# Allegro board T736_DEMO_DBOARD_V0-5-draft.brd (continued)
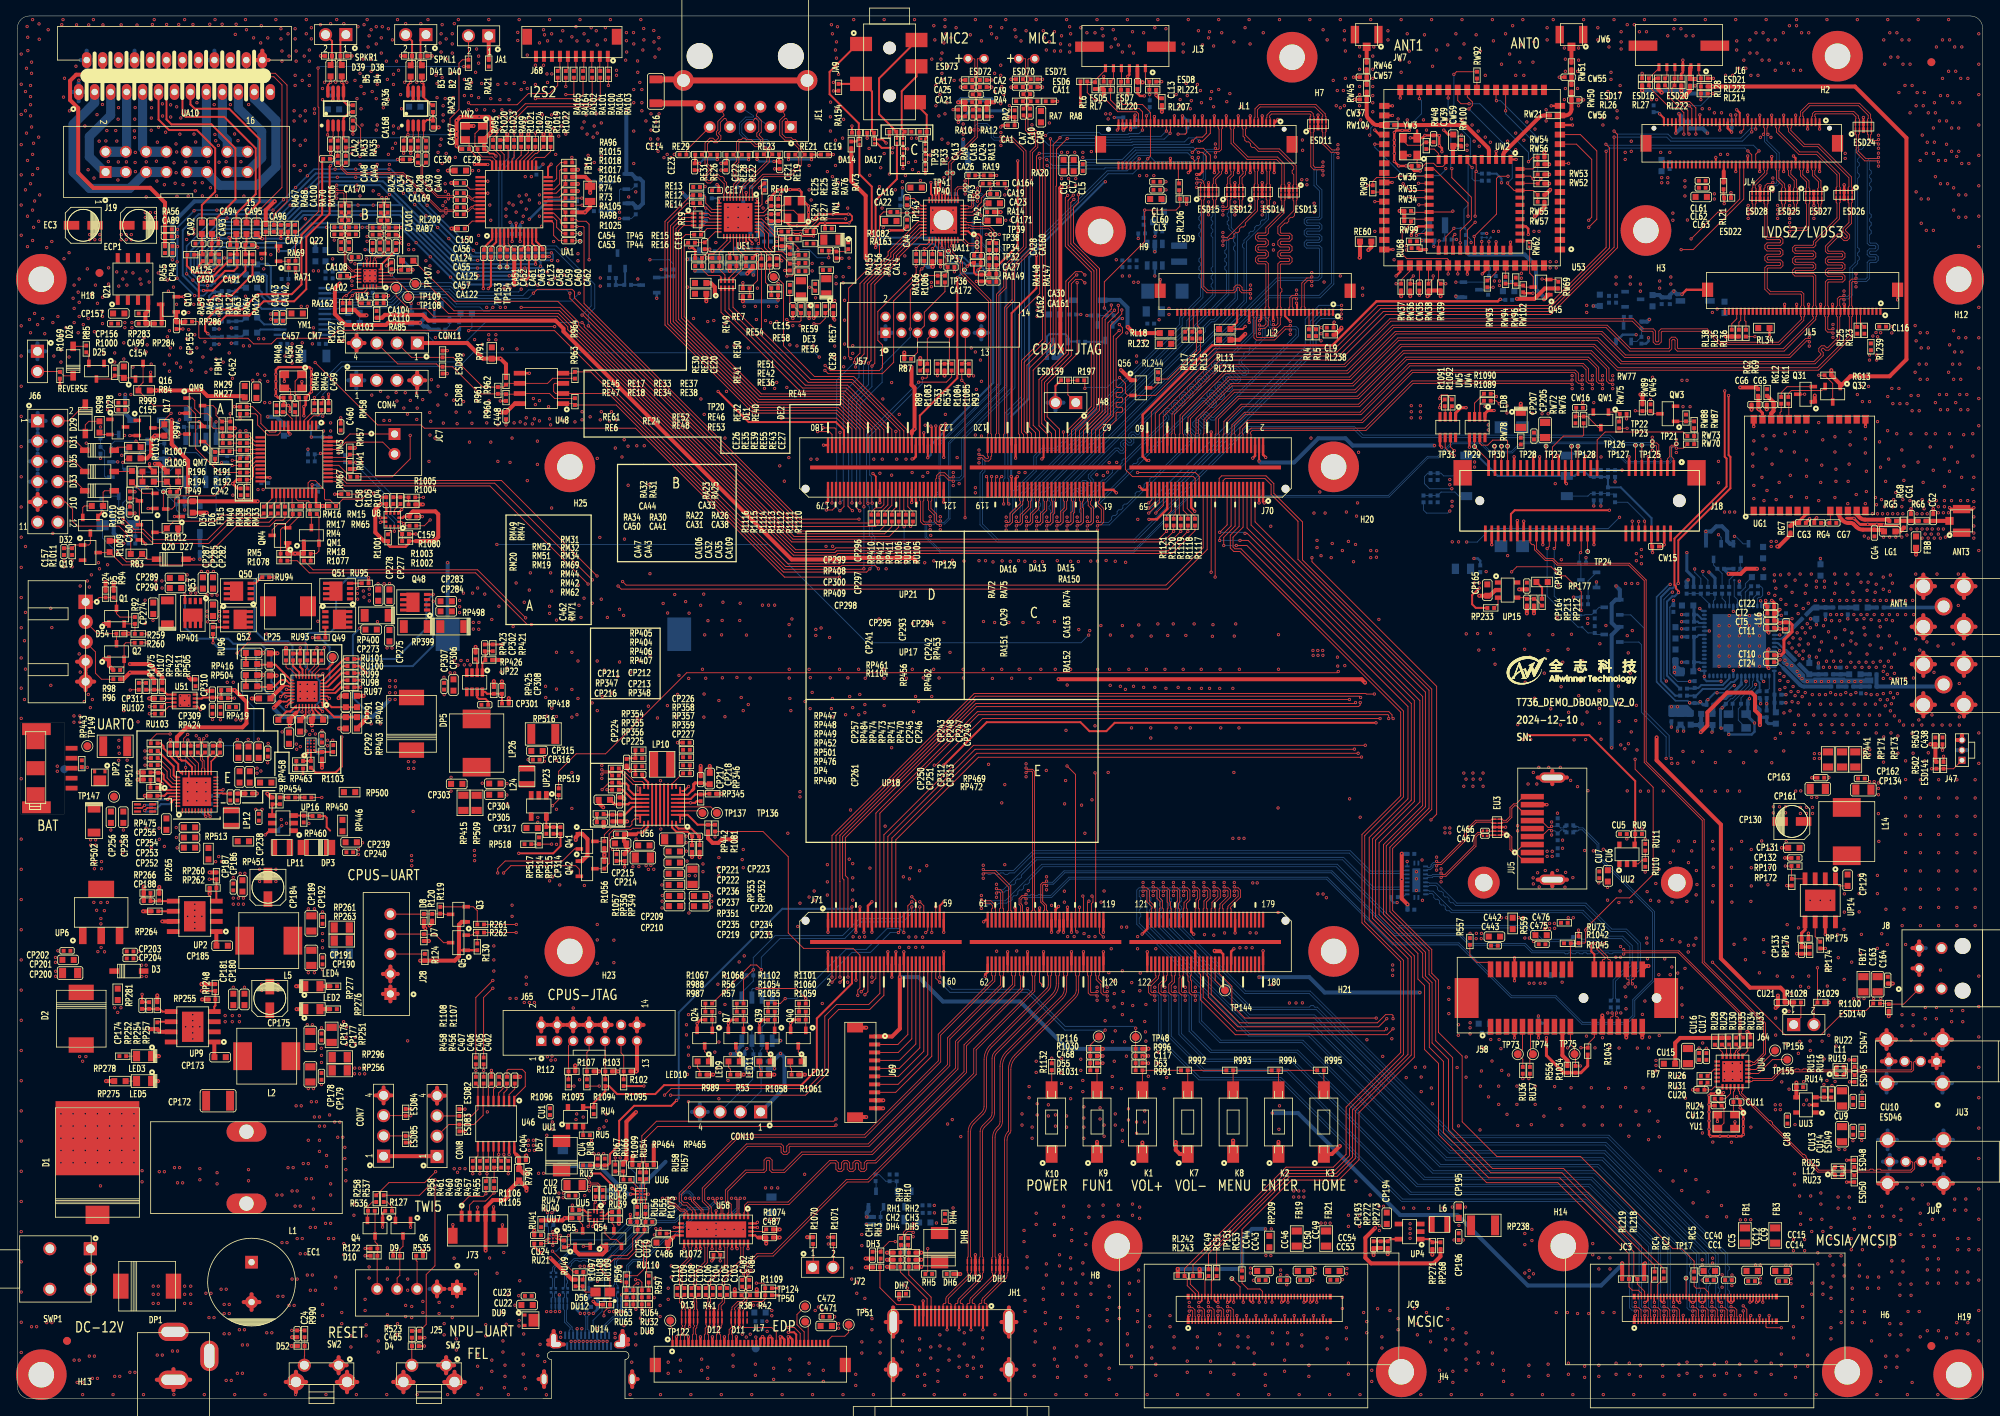
[diagram p0: board, top side]
## Footprints (pads in the part's own frame, mm; a bottom-side part is the same pattern mirrored in y, then rotated) (continued)
HDR1_5P100B390_735H509_SMD_V
  rect 0.5x1.4 smd: 1(-2,1.781) 2(-1,1.781) 3(0,1.781) 4(1,1.781) 5(2,1.781)
  rect 1.2x2 smd: 6(-3.1,-0.669) 7(3.1,-0.669)
HDR1_5P250B570_1500H700
  rect 1.501x1.501 hole 0.899: 1(-0.5,5.001)
  round 1.501 hole 0.899: 2(-0.5,2.499) 3(-0.5,0) 4(-0.5,-2.499) 5(-0.5,-5.001)
HDR1_10P100B390_1235H509_SMD_V
  rect 0.5x1.4 smd: 1(-4.5,1.781) 2(-3.5,1.781) 3(-2.5,1.781) 4(-1.5,1.781) 5(-0.5,1.781) 6(0.5,1.781) 7(1.5,1.781) 8(2.5,1.781) 9(3.5,1.781) 10(4.5,1.781)
  rect 1.2x2 smd: 11(-5.6,-0.669) 12(5.6,-0.669)
HDR2_6P254B500_1524H254
  rect 1.651x1.651 hole 1.1: 1(-1.27,6.35)
  round 1.651 hole 1.1: 2(1.27,6.35) 3(-1.27,3.81) 4(1.27,3.81) 5(-1.27,1.27) 6(1.27,1.27) 7(-1.27,-1.27) 8(1.27,-1.27) 9(-1.27,-3.81) 10(1.27,-3.81) 11(-1.27,-6.35) 12(1.27,-6.35)
HDR2_7P200B550_2130H560
  rect 1.3x1.3 hole 0.8: 1(-1.001,5.999)
  round 1.3 hole 0.8: 2(1.001,5.999) 3(-1.001,4) 4(1.001,4) 5(-1.001,1.999) 6(1.001,1.999) 7(-1.001,0) 8(1.001,0) 9(-1.001,-1.999) 10(1.001,-1.999) 11(-1.001,-4) 12(1.001,-4) 13(-1.001,-5.999) 14(1.001,-5.999)
HDR2_8P254B870_2794H900
  rect 1.501x1.501 hole 1.001: 1(-1.27,8.89)
  round 1.501 hole 1.001: 2(1.27,8.89) 3(-1.27,6.35) 4(1.27,6.35) 5(-1.27,3.81) 6(1.27,3.81) 7(-1.27,1.27) 8(1.27,1.27) 9(-1.27,-1.27) 10(1.27,-1.27) 11(-1.27,-3.81) 12(1.27,-3.81) 13(-1.27,-6.35) 14(1.27,-6.35) 15(-1.27,-8.89) 16(1.27,-8.89)
HP5B650_1400H500
  round 1.6 hole 1.6 unplated: (0,3) (0,-3)
  rect 2.751x1.801 smd: 1(-3.575,3.5) 2(3.375,0.7) 3(-3.575,-1.5) 4(3.175,-3.8) 5(3.375,4)
KEY2B350_600H350
  rect 2.2x1.5 smd: 1(-4.01,0) 2(4.01,0)
KEY4B260_780H350_THR
  round 1.651 hole 1.1: 1(-2.15,-1.05) 2(2.15,-1.05)
  round 2.2 hole 1.3: 3(-3.2,1.05) 4(3.2,1.05)
L0402
  rect 0.5x0.5 smd: 1(-0.424,0) 2(0.424,0)
L0603
  rect 0.759x0.759 smd: 1(-0.711,0) 2(0.711,0)
LC4B65_85H40
  rect 0.3x0.3 smd: 1(-0.3,0.25) 2(0.3,0.25) 3(0.3,-0.25) 4(-0.3,-0.25)
LC4P55B100_125H50
  rect 0.3x0.5 smd: 1(-0.274,0.599) 2(0.274,0.599) 3(0.274,-0.599) 4(-0.274,-0.599)
LED0402
  rect 0.5x0.5 smd: 1(-0.425,0) 2(0.425,0)
LED0603
  rect 0.759x0.759 smd: 1(-0.711,0) 2(0.711,0)
LED0805
  rect 0.899x1.3 smd: 1(-0.95,0) 2(0.95,0)
LGA12P50B200_200H100
  rect 0.3x0.351 smd: 1(-0.749,0.8) 4(-0.749,-0.8) 5(-0.249,-0.8) 6(0.249,-0.8) 7(0.749,-0.8) 10(0.749,0.8) 11(0.249,0.8) 12(-0.249,0.8)
  rect 0.351x0.3 smd: 2(-0.8,0.249) 3(-0.8,-0.249) 8(0.8,-0.249) 9(0.8,0.249)
LP160_200H100
  rect 1.001x1.9 smd: 1(-0.8,0) 2(0.8,0)
LP200_250H100
  rect 0.8x1.999 smd: 1(-1.001,0) 2(1.001,0)
LP300_300H100
  rect 1.1x3.2 smd: 1(-1.05,0) 2(1.05,0)
LP520_540H300
  rect 2x2.5 smd: 1(-2.5,0) 2(2.5,0)
LP660_700H480
  rect 2.349x3.5 smd: 1(-3.025,0) 2(3.025,0)
LP680_730H280
  rect 2.349x3.5 smd: 1(-3.025,0) 2(3.025,0)
MIC_600X270
  round 1.199 hole 0.701: 1(1.75,0) 2(-0.249,0)
MSOP8
  oval 0.45x1.56 smd: 1(-0.975,-2.123) 2(-0.325,-2.123) 3(0.325,-2.123) 4(0.975,-2.123) 5(0.975,2.123) 6(0.325,2.123) 7(-0.325,2.123) 8(-0.975,2.123)
MTH635D320
  round 6.35 hole 3.2: 1(0,0)
PCI54P80B760_3000H400
  round 1.6 hole 1.6 unplated: (-12.499,0)
  round 1.1 hole 1.1 unplated: (12.499,0)
  rect 0.351x1.999 smd: 1(-11.801,-4.1) 2(-11.4,4.1) 3(-11.001,-4.1) 4(-10.599,4.1) 5(-10.201,-4.1) 6(-9.799,4.1) 7(-9.401,-4.1) 8(-8.999,4.1) 9(-8.6,-4.1) 10(-8.199,4.1) 11(-7.8,-4.1) 12(-7.399,4.1) 13(-7,-4.1) 14(-6.599,4.1) 15(-6.2,-4.1) 16(-5.799,4.1) 17(-2.2,-4.1) 18(-1.801,4.1) 19(-1.4,-4.1) 20(-1.001,4.1) 21(-0.599,-4.1) 22(-0.201,4.1) 23(0.201,-4.1) 24(0.599,4.1) 25(1.001,-4.1) 26(1.4,4.1) 27(1.801,-4.1) 28(2.2,4.1) 29(2.601,-4.1) 30(3,4.1) 31(3.401,-4.1) 32(3.8,4.1) 33(4.201,-4.1) 34(4.6,4.1) 35(5.001,-4.1) 36(5.4,4.1) 37(5.799,-4.1) 38(6.2,4.1) 39(6.599,-4.1) 40(7,4.1) 41(7.399,-4.1) 42(7.8,4.1) 43(8.199,-4.1) 44(8.6,4.1) 45(8.999,-4.1) 46(9.401,4.1) 47(9.799,-4.1) 48(10.201,4.1) 49(10.599,-4.1) 50(11.001,4.1) 51(11.4,-4.1) 52(11.801,4.1)
  rect 2.301x3.2 smd: 53(-14.651,-3.5) 54(14.651,-3.5)
  round 4 hole 2.2: 55(-12.189,47.866) 56(12.004,47.866)
PCIE_36P100B730_2500H1110_SMD
  round 1.199 hole 1.199 unplated: (2.149,0) (11.3,0)
  rect 3x5.001 smd: 37(-12.499,0) 38(12.499,0)
  rect 0.701x1.999 smd: A1(-9.5,3.599) A2(-8.499,3.599) A3(-7.501,3.599) A4(-6.5,3.599) A5(-5.499,3.599) A6(-4.501,3.599) A7(-3.5,3.599) A8(-2.499,3.599) A9(-1.501,3.599) A10(-0.5,3.599) A11(0.5,3.599) A12(3.5,3.599) A13(4.501,3.599) A14(5.499,3.599) A15(6.5,3.599) A16(7.501,3.599) A17(8.499,3.599) A18(9.5,3.599) B1(-9.5,-3.599) B2(-8.499,-3.599) B3(-7.501,-3.599) B4(-6.5,-3.599) B5(-5.499,-3.599) B6(-4.501,-3.599) B7(-3.5,-3.599) B8(-2.499,-3.599) B9(-1.501,-3.599) B10(-0.5,-3.599) B11(0.5,-3.599) B12(3.5,-3.599) B13(4.501,-3.599) B14(5.499,-3.599) B15(6.5,-3.599) B16(7.501,-3.599) B17(8.499,-3.599) B18(9.5,-3.599)
PWR_JACK
  oval 3.81x2.286 hole 3.048x1.27: 1(0,7.099) 2(0,1.1)
  oval 2.286x3.81 hole 1.27x3.048: 3(4.496,4.089)
QFN10P40B140_180H55
  rect 0.701x0.201 smd: 1(-0.55,0.2)
  rect 0.6x0.2 smd: 2(-0.6,-0.2) 6(0.6,-0.2) 7(0.6,0.2)
  rect 0.2x0.6 smd: 3(-0.4,-0.8) 4(0,-0.8) 5(0.4,-0.8) 8(0.4,0.8) 9(0,0.8) 10(-0.4,0.8)
QFN20P40B300_300H75
  rect 0.63x0.201 smd: 1(-1.384,0.8) 2(-1.384,0.401) 3(-1.384,0) 4(-1.384,-0.401) 5(-1.384,-0.8) 11(1.384,-0.8) 12(1.384,-0.401) 13(1.384,0) 14(1.384,0.401) 15(1.384,0.8)
  rect 0.201x0.63 smd: 6(-0.8,-1.384) 7(-0.401,-1.384) 8(0,-1.384) 9(0.401,-1.384) 10(0.8,-1.384) 16(0.8,1.384) 17(0.401,1.384) 18(0,1.384) 19(-0.401,1.384) 20(-0.8,1.384)
  rect 1.651x1.651 smd: 21(0,0)
QFN21P50B250_450H90
  rect 0.24x0.6 smd: 1(-0.25,2.15) 10(-0.25,-2.15) 11(0.25,-2.15) 20(0.25,2.15)
  rect 0.6x0.24 smd: 2(-1.15,1.76) 3(-1.15,1.26) 4(-1.15,0.76) 5(-1.15,0.26) 6(-1.15,-0.24) 7(-1.15,-0.74) 8(-1.15,-1.24) 9(-1.15,-1.74) 12(1.15,-1.74) 13(1.15,-1.24) 14(1.15,-0.74) 15(1.15,-0.24) 16(1.15,0.26) 17(1.15,0.76) 18(1.15,1.26) 19(1.15,1.76)
  rect 1x3 smd: 21(0,0)
QFN25P50B400_400H75
  rect 0.701x0.3 smd: 1(-1.92,1.25) 2(-1.92,0.749) 3(-1.92,0.249) 4(-1.92,-0.249) 5(-1.92,-0.749) 6(-1.92,-1.25) 13(1.92,-1.25) 14(1.92,-0.749) 15(1.92,-0.249) 16(1.92,0.249) 17(1.92,0.749) 18(1.92,1.25)
  rect 0.3x0.701 smd: 7(-1.25,-1.92) 8(-0.749,-1.92) 9(-0.249,-1.92) 10(0.249,-1.92) 11(0.749,-1.92) 12(1.25,-1.92) 19(1.25,1.92) 20(0.749,1.92) 21(0.249,1.92) 22(-0.249,1.92) 23(-0.749,1.92) 24(-1.25,1.92)
  rect 2.601x2.601 smd: 25(0,0)
QFN29P50B500_600H100
  custom 0.825x1.075 smd: 1(-2.787,1.75) 8(-2.787,-1.75) 18(2.787,-1.75) 25(2.787,1.75)
  rect 1.85x0.25 smd: 2(-2.275,1.25) 3(-2.275,0.75) 4(-2.275,0.25) 5(-2.275,-0.25) 6(-2.275,-0.75) 7(-2.275,-1.25) 19(2.275,-1.25) 20(2.275,-0.75) 21(2.275,-0.25) 22(2.275,0.25) 23(2.275,0.75) 24(2.275,1.25)
  rect 0.249x0.701 smd: 9(-2,-2.35) 17(2,-2.35) 26(2,2.35) 29(-2,2.35)
  rect 0.25x0.75 smd: 10(-1.5,-2.325) 16(1.5,-2.325) 27(1.5,2.325) 28(-1.5,2.325)
  rect 0.25x5.4 smd: 11(-1,0) 12(-0.5,0) 13(0,0) 14(0.5,0) 15(1,0)
QFN33P40B400_400H75
  custom 0.61x0.198 smd: 1(-1.894,1.396) 8(-1.895,-1.404) 17(1.893,-1.404) 24(1.894,1.396)
  rect 0.63x0.201 smd: 2(-1.885,0.996) 3(-1.885,0.596) 4(-1.885,0.196) 5(-1.885,-0.204) 6(-1.885,-0.604) 7(-1.885,-1.004) 18(1.885,-1.004) 19(1.885,-0.604) 20(1.885,-0.204) 21(1.885,0.196) 22(1.885,0.596) 23(1.885,0.996)
  custom 0.198x0.61 smd: 9(-1.4,-1.897) 16(1.4,-1.897) 25(1.4,1.89) 32(-1.4,1.89)
  rect 0.201x0.63 smd: 10(-1,-1.889) 11(-0.6,-1.889) 12(-0.2,-1.889) 13(0.2,-1.889) 14(0.6,-1.889) 15(1,-1.889) 26(1,1.881) 27(0.6,1.881) 28(0.2,1.881) 29(-0.2,1.881) 30(-0.6,1.881) 31(-1,1.881)
  rect 2.601x2.601 smd: 33(0,0)
QFN40P0_40B5_00X5_00H0_75
  custom 0.8x0.2 smd: 1(-2.5,1.8) 2(-2.5,1.4) 3(-2.5,1) 4(-2.5,0.6) 5(-2.5,0.2) 6(-2.5,-0.2) 7(-2.5,-0.6) 8(-2.5,-1) 9(-2.5,-1.4) 10(-2.5,-1.8) 21(2.5,-1.8) 22(2.5,-1.4) 23(2.5,-1) 24(2.5,-0.6) 25(2.5,-0.2) 26(2.5,0.2) 27(2.5,0.6) 28(2.5,1) 29(2.5,1.4) 30(2.5,1.8)
  custom 0.2x0.8 smd: 11(-1.8,-2.5) 12(-1.4,-2.5) 13(-1,-2.5) 14(-0.6,-2.5) 15(-0.2,-2.5) 16(0.2,-2.5) 17(0.6,-2.5) 18(1,-2.5) 19(1.4,-2.5) 20(1.8,-2.5) 31(1.8,2.5) 32(1.4,2.5) 33(1,2.5) 34(0.6,2.5) 35(0.2,2.5) 36(-0.2,2.5) 37(-0.6,2.5) 38(-1,2.5) 39(-1.4,2.5) 40(-1.8,2.5)
  rect 3.4x3.4 hole 2.5: 41(0,0)
QFN41P40B500_500H85
  rect 0.63x0.201 smd: 1(-2.385,1.801) 2(-2.385,1.4) 3(-2.385,1.001) 4(-2.385,0.599) 5(-2.385,0.201) 6(-2.385,-0.201) 7(-2.385,-0.599) 8(-2.385,-1.001) 9(-2.385,-1.4) 10(-2.385,-1.801) 21(2.385,-1.801) 22(2.385,-1.4) 23(2.385,-1.001) 24(2.385,-0.599) 25(2.385,-0.201) 26(2.385,0.201) 27(2.385,0.599) 28(2.385,1.001) 29(2.385,1.4) 30(2.385,1.801)
  rect 0.201x0.63 smd: 11(-1.801,-2.385) 12(-1.4,-2.385) 13(-1.001,-2.385) 14(-0.599,-2.385) 15(-0.201,-2.385) 16(0.201,-2.385) 17(0.599,-2.385) 18(1.001,-2.385) 19(1.4,-2.385) 20(1.801,-2.385) 31(1.801,2.385) 32(1.4,2.385) 33(1.001,2.385) 34(0.599,2.385) 35(0.201,2.385) 36(-0.201,2.385) 37(-0.599,2.385) 38(-1.001,2.385) 39(-1.4,2.385) 40(-1.801,2.385)
  rect 3.599x3.599 smd: 41(0,0)
QFN43P50B350_900H85
  rect 0.73x0.3 smd: 1(-1.64,4) 2(-1.64,3.5) 3(-1.64,3) 4(-1.64,2.5) 5(-1.64,2) 6(-1.64,1.5) 7(-1.64,1) 8(-1.64,0.5) 9(-1.64,0) 10(-1.64,-0.5) 11(-1.64,-1) 12(-1.64,-1.5) 13(-1.64,-2) 14(-1.64,-2.5) 15(-1.64,-3) 16(-1.64,-3.5) 17(-1.64,-4) 22(1.64,-4) 23(1.64,-3.5) 24(1.64,-3) 25(1.64,-2.5) 26(1.64,-2) 27(1.64,-1.5) 28(1.64,-1) 29(1.64,-0.5) 30(1.64,0) 31(1.64,0.5) 32(1.64,1) 33(1.64,1.5) 34(1.64,2) 35(1.64,2.5) 36(1.64,3) 37(1.64,3.5) 38(1.64,4)
  rect 0.3x0.73 smd: 18(-0.75,-4.39) 19(-0.25,-4.39) 20(0.25,-4.39) 21(0.75,-4.39) 39(0.75,4.39) 40(0.25,4.39) 41(-0.25,4.39) 42(-0.75,4.39)
  rect 2.05x7.55 smd: 43(0,0)
QFN65P50B900_900H100
  oval 0.63x0.31 smd: 1(-4.384,3.749) 2(-4.384,3.251) 3(-4.384,2.751) 4(-4.384,2.25) 5(-4.384,1.75) 6(-4.384,1.25) 7(-4.384,0.749) 8(-4.384,0.249) 9(-4.384,-0.249) 10(-4.384,-0.749) 11(-4.384,-1.25) 12(-4.384,-1.75) 13(-4.384,-2.25) 14(-4.384,-2.751) 15(-4.384,-3.251) 16(-4.384,-3.749) 33(4.384,-3.749) 34(4.384,-3.251) 35(4.384,-2.751) 36(4.384,-2.25) 37(4.384,-1.75) 38(4.384,-1.25) 39(4.384,-0.749) 40(4.384,-0.249) 41(4.384,0.249) 42(4.384,0.749) 43(4.384,1.25) 44(4.384,1.75) 45(4.384,2.25) 46(4.384,2.751) 47(4.384,3.251) 48(4.384,3.749)
  oval 0.31x0.63 smd: 17(-3.749,-4.384) 18(-3.251,-4.384) 19(-2.751,-4.384) 20(-2.25,-4.384) 21(-1.75,-4.384) 22(-1.25,-4.384) 23(-0.749,-4.384) 24(-0.249,-4.384) 25(0.249,-4.384) 26(0.749,-4.384) 27(1.25,-4.384) 28(1.75,-4.384) 29(2.25,-4.384) 30(2.751,-4.384) 31(3.251,-4.384) 32(3.749,-4.384) 49(3.749,4.384) 50(3.251,4.384) 51(2.751,4.384) 52(2.25,4.384) 53(1.75,4.384) 54(1.25,4.384) 55(0.749,4.384) 56(0.249,4.384) 57(-0.249,4.384) 58(-0.749,4.384) 59(-1.25,4.384) 60(-1.75,4.384) 61(-2.25,4.384) 62(-2.751,4.384) 63(-3.251,4.384) 64(-3.749,4.384)
  rect 6.701x6.701 smd: 65(0,0)
QFP48P50B700_700H160
  rect 1.199x0.3 smd: 1(-4.249,2.751) 2(-4.249,2.25) 3(-4.249,1.75) 4(-4.249,1.25) 5(-4.249,0.749) 6(-4.249,0.249) 7(-4.249,-0.249) 8(-4.249,-0.749) 9(-4.249,-1.25) 10(-4.249,-1.75) 11(-4.249,-2.25) 12(-4.249,-2.751) 25(4.249,-2.751) 26(4.249,-2.25) 27(4.249,-1.75) 28(4.249,-1.25) 29(4.249,-0.749) 30(4.249,-0.249) 31(4.249,0.249) 32(4.249,0.749) 33(4.249,1.25) 34(4.249,1.75) 35(4.249,2.25) 36(4.249,2.751)
  rect 0.3x1.199 smd: 13(-2.751,-4.249) 14(-2.25,-4.249) 15(-1.75,-4.249) 16(-1.25,-4.249) 17(-0.749,-4.249) 18(-0.249,-4.249) 19(0.249,-4.249) 20(0.749,-4.249) 21(1.25,-4.249) 22(1.75,-4.249) 23(2.25,-4.249) 24(2.751,-4.249) 37(2.751,4.249) 38(2.25,4.249) 39(1.75,4.249) 40(1.25,4.249) 41(0.749,4.249) 42(0.249,4.249) 43(-0.249,4.249) 44(-0.749,4.249) 45(-1.25,4.249) 46(-1.75,4.249) 47(-2.25,4.249) 48(-2.751,4.249)
R0201
  rect 0.3x0.3 smd: 1(-0.25,0) 2(0.25,0)
R0402
  rect 0.5x0.5 smd: 1(-0.424,0) 2(0.424,0)
R0603
  rect 0.759x0.759 smd: 1(-0.711,0) 2(0.711,0)
R0805
  rect 0.899x1.3 smd: 1(-0.95,0) 2(0.95,0)
R1206
  rect 1.001x1.6 smd: 1(-1.5,0) 2(1.5,0)
R1210
  rect 1.001x2.499 smd: 1(-1.501,0) 2(1.501,0)
RA6P45B125_200H60
  rect 0.9x0.3 smd: 1(-0.95,0.45) 3(-0.95,-0.45) 4(0.95,-0.45) 6(0.95,0.45)
  rect 0.9x0.2 smd: 2(-0.95,0) 5(0.95,0)
RA8P50B100_200H45
  rect 0.701x0.3 smd: 1(-0.5,0.749) 2(-0.5,0.249) 3(-0.5,-0.249) 4(-0.5,-0.749) 5(0.5,-0.749) 6(0.5,-0.249) 7(0.5,0.249) 8(0.5,0.749)
RA9P50B100_250H58
  rect 0.681x0.201 smd: 1(-0.437,1) 2(-0.437,0.5) 4(-0.437,-0.5) 5(-0.437,-1) 6(0.437,-1) 7(0.437,-0.5) 9(0.437,0.5) 10(0.437,1)
  rect 0.68x0.4 smd: 3(-0.437,0) 8(0.437,0)
RCLAMP0524P
  rect 0.201x0.676 smd: 1(0,-0.874) 2(0.5,-0.874) 4(1.501,-0.874) 5(1.999,-0.874) 6(1.999,0) 7(1.501,0) 9(0.5,0) 10(0,0)
  rect 0.399x0.671 smd: 3(1.001,-0.874) 8(1.001,0)
RD2B1150_2400H2400
  oval 2.499x5.001 hole 1.801: 1(-4.501,0) 2(4.501,0)
RJ12P127B1588_2159H1364
  round 3.251 hole 3.251 unplated: (-5.715,0.104) (5.715,0.104)
  rect 1.501x1.501 hole 0.889: 1(-5.71,8.994)
  round 1.501 hole 0.889: 2(-4.44,6.454) 3(-3.17,8.994) 4(-1.9,6.454) 5(-0.63,8.994) 6(0.64,6.454) 7(1.91,8.994) 8(3.18,6.454) 9(4.45,8.994) 10(5.72,6.454)
  round 2.601 hole 1.6: 11(-7.744,3.155) 12(7.744,3.155)
SDC10B1630_1640H220
  rect 1.501x1.001 smd: 1(-7.65,3.899) 2(-7.65,1.359) 3(-7.65,-1.181) 5(4.95,3.899) 6(4.95,1.359) 7(4.95,-1.181)
  rect 1.6x1.501 smd: 9(0.599,7.45) 10(-2.101,7.45) 11(-2.101,-7.45) 12(0.599,-7.45)
SEDF2_90P50B724_6138H325
  round 1 hole 1 unplated: (-30.065,2.67) (30.065,2.67)
  rect 0.3x2 smd: 1(-27.25,2.8) 2(-27.25,-2.8) 3(-26.75,2.8) 4(-26.75,-2.8) 5(-26.25,2.8) 6(-26.25,-2.8) 7(-25.75,2.8) 8(-25.75,-2.8) 9(-25.25,2.8) 10(-25.25,-2.8) 11(-24.75,2.8) 12(-24.75,-2.8) 13(-24.25,2.8) 14(-24.25,-2.8) 15(-23.75,2.8) 16(-23.75,-2.8) 17(-23.25,2.8) 18(-23.25,-2.8) 19(-22.75,2.8) 20(-22.75,-2.8) 21(-22.25,2.8) 22(-22.25,-2.8) 23(-21.75,2.8) 24(-21.75,-2.8) 25(-21.25,2.8) 26(-21.25,-2.8) 27(-20.75,2.8) 28(-20.75,-2.8) 29(-20.25,2.8) 30(-20.25,-2.8) 31(-19.75,2.8) 32(-19.75,-2.8) 33(-19.25,2.8) 34(-19.25,-2.8) 35(-18.75,2.8) 36(-18.75,-2.8) 37(-18.25,2.8) 38(-18.25,-2.8) 39(-17.75,2.8) 40(-17.75,-2.8) 41(-17.25,2.8) 42(-17.25,-2.8) 43(-16.75,2.8) 44(-16.75,-2.8) 45(-16.25,2.8) 46(-16.25,-2.8) 47(-15.75,2.8) 48(-15.75,-2.8) 49(-15.25,2.8) 50(-15.25,-2.8) 51(-14.75,2.8) 52(-14.75,-2.8) 53(-14.25,2.8) 54(-14.25,-2.8) 55(-13.75,2.8) 56(-13.75,-2.8) 57(-13.25,2.8) 58(-13.25,-2.8) 59(-12.75,2.8) 60(-12.75,-2.8) 61(-7.25,2.8) 62(-7.25,-2.8) 63(-6.75,2.8) 64(-6.75,-2.8) 65(-6.25,2.8) 66(-6.25,-2.8) 67(-5.75,2.8) 68(-5.75,-2.8) 69(-5.25,2.8) 70(-5.25,-2.8) 71(-4.75,2.8) 72(-4.75,-2.8) 73(-4.25,2.8) 74(-4.25,-2.8) 75(-3.75,2.8) 76(-3.75,-2.8) 77(-3.25,2.8) 78(-3.25,-2.8) 79(-2.75,2.8) 80(-2.75,-2.8) 81(-2.25,2.8) 82(-2.25,-2.8) 83(-1.75,2.8) 84(-1.75,-2.8) 85(-1.25,2.8) 86(-1.25,-2.8) 87(-0.75,2.8) 88(-0.75,-2.8) 89(-0.25,2.8) 90(-0.25,-2.8) 91(0.25,2.8) 92(0.25,-2.8) 93(0.75,2.8) 94(0.75,-2.8) 95(1.25,2.8) 96(1.25,-2.8) 97(1.75,2.8) 98(1.75,-2.8) 99(2.25,2.8) 100(2.25,-2.8) 101(2.75,2.8) 102(2.75,-2.8) 103(3.25,2.8) 104(3.25,-2.8) 105(3.75,2.8) 106(3.75,-2.8) 107(4.25,2.8) 108(4.25,-2.8) 109(4.75,2.8) 110(4.75,-2.8) 111(5.25,2.8) 112(5.25,-2.8) 113(5.75,2.8) 114(5.75,-2.8) 115(6.25,2.8) 116(6.25,-2.8) 117(6.75,2.8) 118(6.75,-2.8) 119(7.25,2.8) 120(7.25,-2.8) 121(12.75,2.8) 122(12.75,-2.8) 123(13.25,2.8) 124(13.25,-2.8) 125(13.75,2.8) 126(13.75,-2.8) 127(14.25,2.8) 128(14.25,-2.8) 129(14.75,2.8) 130(14.75,-2.8) 131(15.25,2.8) 132(15.25,-2.8) 133(15.75,2.8) 134(15.75,-2.8) 135(16.25,2.8) 136(16.25,-2.8) 137(16.75,2.8) 138(16.75,-2.8) 139(17.25,2.8) 140(17.25,-2.8) 141(17.75,2.8) 142(17.75,-2.8) 143(18.25,2.8) 144(18.25,-2.8) 145(18.75,2.8) 146(18.75,-2.8) 147(19.25,2.8) 148(19.25,-2.8) 149(19.75,2.8) 150(19.75,-2.8) 151(20.25,2.8) 152(20.25,-2.8) 153(20.75,2.8) 154(20.75,-2.8) 155(21.25,2.8) 156(21.25,-2.8) 157(21.75,2.8) 158(21.75,-2.8) 159(22.25,2.8) 160(22.25,-2.8) 161(22.75,2.8) 162(22.75,-2.8) 163(23.25,2.8) 164(23.25,-2.8) 165(23.75,2.8) 166(23.75,-2.8) 167(24.25,2.8) 168(24.25,-2.8) 169(24.75,2.8) 170(24.75,-2.8) 171(25.25,2.8) 172(25.25,-2.8) 173(25.75,2.8) 174(25.75,-2.8) 175(26.25,2.8) 176(26.25,-2.8) 177(26.75,2.8) 178(26.75,-2.8) 179(27.25,2.8) 180(27.25,-2.8)
  rect 19x0.5 smd: 181(-20,0) 182(0,0) 183(20,0)
SEDSKT90P40B294_2060H290
  rect 0.399x0.701 smd: 1(8.9,1.539) 2(8.9,-1.539) 89(-8.9,1.539) 90(-8.9,-1.539)
  rect 0.201x0.701 smd: 3(8.4,1.539) 4(8.4,-1.539) 5(8.001,1.539) 6(8.001,-1.539) 7(7.6,1.539) 8(7.6,-1.539) 9(7.201,1.539) 10(7.201,-1.539) 11(6.8,1.539) 12(6.8,-1.539) 13(6.401,1.539) 14(6.401,-1.539) 15(5.999,1.539) 16(5.999,-1.539) 17(5.601,1.539) 18(5.601,-1.539) 19(5.199,1.539) 20(5.199,-1.539) 21(4.801,1.539) 22(4.801,-1.539) 23(4.399,1.539) 24(4.399,-1.539) 25(4,1.539) 26(4,-1.539) 27(3.599,1.539) 28(3.599,-1.539) 29(3.2,1.539) 30(3.2,-1.539) 31(2.799,1.539) 32(2.799,-1.539) 33(2.4,1.539) 34(2.4,-1.539) 35(1.999,1.539) 36(1.999,-1.539) 37(1.6,1.539) 38(1.6,-1.539) 39(1.199,1.539) 40(1.199,-1.539) 41(0.8,1.539) 42(0.8,-1.539) 43(0.399,1.539) 44(0.399,-1.539) 45(0,1.539) 46(0,-1.539) 47(-0.399,1.539) 48(-0.399,-1.539) 49(-0.8,1.539) 50(-0.8,-1.539) 51(-1.199,1.539) 52(-1.199,-1.539) 53(-1.6,1.539) 54(-1.6,-1.539) 55(-1.999,1.539) 56(-1.999,-1.539) 57(-2.4,1.539) 58(-2.4,-1.539) 59(-2.799,1.539) 60(-2.799,-1.539) 61(-3.2,1.539) 62(-3.2,-1.539) 63(-3.599,1.539) 64(-3.599,-1.539) 65(-4,1.539) 66(-4,-1.539) 67(-4.399,1.539) 68(-4.399,-1.539) 69(-4.801,1.539) 70(-4.801,-1.539) 71(-5.199,1.539) 72(-5.199,-1.539) 73(-5.601,1.539) 74(-5.601,-1.539) 75(-5.999,1.539) 76(-5.999,-1.539) 77(-6.401,1.539) 78(-6.401,-1.539) 79(-6.8,1.539) 80(-6.8,-1.539) 81(-7.201,1.539) 82(-7.201,-1.539) 83(-7.6,1.539) 84(-7.6,-1.539) 85(-8.001,1.539) 86(-8.001,-1.539) 87(-8.4,1.539) 88(-8.4,-1.539)
SKT1_2P254B250_528H850
  rect 1.651x1.651 hole 1.1: 1(-1.27,0)
  round 1.651 hole 1.1: 2(1.27,0)
SKT1_4P254B250_1036H850
  rect 1.651x1.651 hole 1.1: 1(-3.81,0)
  round 1.651 hole 1.1: 2(-1.27,0) 3(1.27,0) 4(3.81,0)
SKT2_40P50B570_2500H350
  round 0.599 hole 0.599 unplated: (-11.001,-1.9) (11.001,-1.9)
  rect 0.249x1.001 smd: 1(-9.751,-2.649) 2(-9.751,2.649) 3(-9.251,-2.649) 4(-9.251,2.649) 5(-8.75,-2.649) 6(-8.75,2.649) 7(-8.25,-2.649) 8(-8.25,2.649) 9(-7.75,-2.649) 10(-7.75,2.649) 11(-7.249,-2.649) 12(-7.249,2.649) 13(-6.749,-2.649) 14(-6.749,2.649) 15(-6.251,-2.649) 16(-6.251,2.649) 17(-5.751,-2.649) 18(-5.751,2.649) 19(-5.25,-2.649) 20(-5.25,2.649) 21(-4.75,-2.649) 22(-4.75,2.649) 23(-4.249,-2.649) 24(-4.249,2.649) 25(-3.749,-2.649) 26(-3.749,2.649) 27(-3.251,-2.649) 28(-3.251,2.649) 29(-2.751,-2.649) 30(-2.751,2.649) 31(-2.25,-2.649) 32(-2.25,2.649) 33(-1.75,-2.649) 34(-1.75,2.649) 35(-1.25,-2.649) 36(-1.25,2.649) 37(-0.749,-2.649) 38(-0.749,2.649) 39(-0.249,-2.649) 40(-0.249,2.649) 41(0.249,-2.649) 42(0.249,2.649) 43(0.749,-2.649) 44(0.749,2.649) 45(1.25,-2.649) 46(1.25,2.649) 47(1.75,-2.649) 48(1.75,2.649) 49(2.25,-2.649) 50(2.25,2.649) 51(2.751,-2.649) 52(2.751,2.649) 53(3.251,-2.649) 54(3.251,2.649) 55(3.749,-2.649) 56(3.749,2.649) 57(4.249,-2.649) 58(4.249,2.649) 59(4.75,-2.649) 60(4.75,2.649) 61(5.25,-2.649) 62(5.25,2.649) 63(5.751,-2.649) 64(5.751,2.649) 65(6.251,-2.649) 66(6.251,2.649) 67(6.749,-2.649) 68(6.749,2.649) 69(7.249,-2.649) 70(7.249,2.649) 71(7.75,-2.649) 72(7.75,2.649) 73(8.25,-2.649) 74(8.25,2.649) 75(8.75,-2.649) 76(8.75,2.649) 77(9.251,-2.649) 78(9.251,2.649) 79(9.751,-2.649) 80(9.751,2.649)
  rect 1.4x2.101 smd: 81(11.999,0) 82(-11.999,0)
SKT5P250B700_1500H570_R_THR
  rect 1.8x1.8 hole 1: 1(-5,3.6)
  round 1.8 hole 1: 2(-2.5,3.6) 3(0,3.6) 4(2.5,3.6) 5(5,3.6)
SMA5B700_1500H986
  round 2.25 hole 1.501: 1(0,-4)
  round 2.55 hole 1.699: 2(-2.54,-1.46) 3(-2.54,-6.54) 4(2.54,-6.54) 5(2.54,-1.46)
SOD123
  rect 1.524x1.27 smd: A(4.4,0.2) C(0.6,0.2)
SOD155_270H118
  rect 1.199x0.701 smd: 1(-1.849,0) 2(1.849,0)
SOD180_270H110
  rect 1.4x1.9 smd: 1(-1.65,0) 2(1.65,0)
SOD250_380H100
  rect 1.6x1.9 smd: 1(-2.15,0) 2(2.15,0)
SOD323
  custom 0.282x0.282 smd: 1(0.9,0) 2(-0.9,0)
SOD362_432H229
  rect 1.519x2.179 smd: 1(-1.839,0) 2(1.839,0)
SOD591_686H234
  rect 1.941x3.15 smd: 1(-3.299,0) 2(3.299,0)
SOD1000_1350H485
  rect 9.299x10.5 smd: 1(-3.051,0)
  rect 2.301x3 smd: 2(6.551,0)
SOP8P65B160_290H110
  rect 1.1x0.45 smd: 1(-1.2,0.975) 2(-1.2,0.325) 3(-1.2,-0.325) 4(-1.2,-0.975) 5(1.2,-0.975) 6(1.2,-0.325) 7(1.2,0.325) 8(1.2,0.975)
SOP8P127B390_490H175
  rect 1.549x0.599 smd: 1(-2.7,1.905) 2(-2.7,0.635) 3(-2.7,-0.635) 4(-2.7,-1.905) 5(2.7,-1.905) 6(2.7,-0.635) 7(2.7,0.635) 8(2.7,1.905)
SOP8P127B395_490H175
  rect 1.199x0.521 smd: 1(-2.649,1.905) 2(-2.649,0.635) 3(-2.649,-0.635) 4(-2.649,-1.905) 5(2.649,-1.905) 6(2.649,-0.635) 7(2.649,0.635) 8(2.649,1.905)
SOP9P127B390_490H170
  rect 1.6x0.61 smd: 1(-2.7,1.905) 2(-2.7,0.635) 3(-2.7,-0.635) 4(-2.7,-1.905) 5(2.7,-1.905) 6(2.7,-0.635) 7(2.7,0.635) 8(2.7,1.905)
  rect 2.7x3.8 smd: 9(0,0)
SOP16P65B440_500H120
  rect 1.349x0.3 smd: 1(-2.824,2.276) 2(-2.824,1.626) 3(-2.824,0.975) 4(-2.824,0.325) 5(-2.824,-0.325) 6(-2.824,-0.975) 7(-2.824,-1.626) 8(-2.824,-2.276) 9(2.824,-2.276) 10(2.824,-1.626) 11(2.824,-0.975) 12(2.824,-0.325) 13(2.824,0.325) 14(2.824,0.975) 15(2.824,1.626) 16(2.824,2.276)
SOP20P65B440_650H120
  rect 1.6x0.3 smd: 1(-2.8,2.925) 2(-2.8,2.275) 3(-2.8,1.625) 4(-2.8,0.975) 5(-2.8,0.325) 6(-2.8,-0.325) 7(-2.8,-0.975) 8(-2.8,-1.625) 9(-2.8,-2.275) 10(-2.8,-2.925) 11(2.8,-2.925) 12(2.8,-2.275) 13(2.8,-1.625) 14(2.8,-0.975) 15(2.8,-0.325) 16(2.8,0.325) 17(2.8,0.975) 18(2.8,1.625) 19(2.8,2.275) 20(2.8,2.925)
SOT3P95B130_290H103
  rect 0.95x0.46 smd: 1(-0.975,0.95) 2(-0.975,-0.95) 3(0.975,0)
SOT4P230B350_650H180
  rect 2.149x0.95 smd: 1(-2.901,2.301) 2(-2.901,0) 3(-2.901,-2.301)
  rect 2.149x3.251 smd: 4(2.901,0)
SOT5P95B160_290H145
  rect 1.049x0.599 smd: 1(-1.349,0.95) 2(-1.349,0) 3(-1.349,-0.95) 4(1.349,-0.95) 5(1.349,0.95)
SOT5P95B160_300H130
  rect 0.8x0.551 smd: 1(-1.199,0.95) 2(-1.199,0) 3(-1.199,-0.95) 4(1.199,-0.95) 5(1.199,0.95)
SOT6P95B160_290H145
  rect 1.049x0.599 smd: 1(-1.35,0.95) 2(-1.35,0) 3(-1.35,-0.95) 4(1.35,-0.95) 5(1.35,0) 6(1.35,0.95)
SOT8P65B160_290H100
  rect 1.199x0.399 smd: 1(-1.3,0.975) 2(-1.3,0.325) 3(-1.3,-0.325) 4(-1.3,-0.975) 5(1.3,-0.975) 6(1.3,-0.325) 7(1.3,0.325) 8(1.3,0.975)
SPDIF5B965_1360H960
  round 2 hole 2 unplated: (0.8,2.8) (0.8,-2.8)
  round 1.3 hole 0.8: 1(-4.65,-2.54) 2(-4.65,0) 3(-4.65,2.54)
  round 1.501 hole 1.001: 4(-1.85,-2.54) 5(-1.85,2.54)
SUB_WIFI44B1200_1200H150
  rect 1.13x0.5 smd: 1(-5.688,4.5) 2(-5.688,3.6) 3(-5.688,2.7) 4(-5.688,1.8) 5(-5.688,0.9) 6(-5.688,0) 7(-5.688,-0.9) 8(-5.688,-1.8) 9(-5.688,-2.7) 10(-5.688,-3.6) 11(-5.688,-4.5) 23(5.688,-4.5) 24(5.688,-3.6) 25(5.688,-2.7) 26(5.688,-1.8) 27(5.688,-0.9) 28(5.688,0) 29(5.688,0.9) 30(5.688,1.8) 31(5.688,2.7) 32(5.688,3.6) 33(5.688,4.5)